# Altium PCB test.PcbDoc (part 1 of 2)
Units mil, origin at the board's own origin, x right, y up, seen from the top; angles counter-clockwise.
Board outline 3937.01 x 2755.91 mil, 2 copper layers (Top Layer, Bottom Layer); 153 components, 162 nets, 624 pads, 157 vias.
Unrouted connection lines stored in the file: 2.
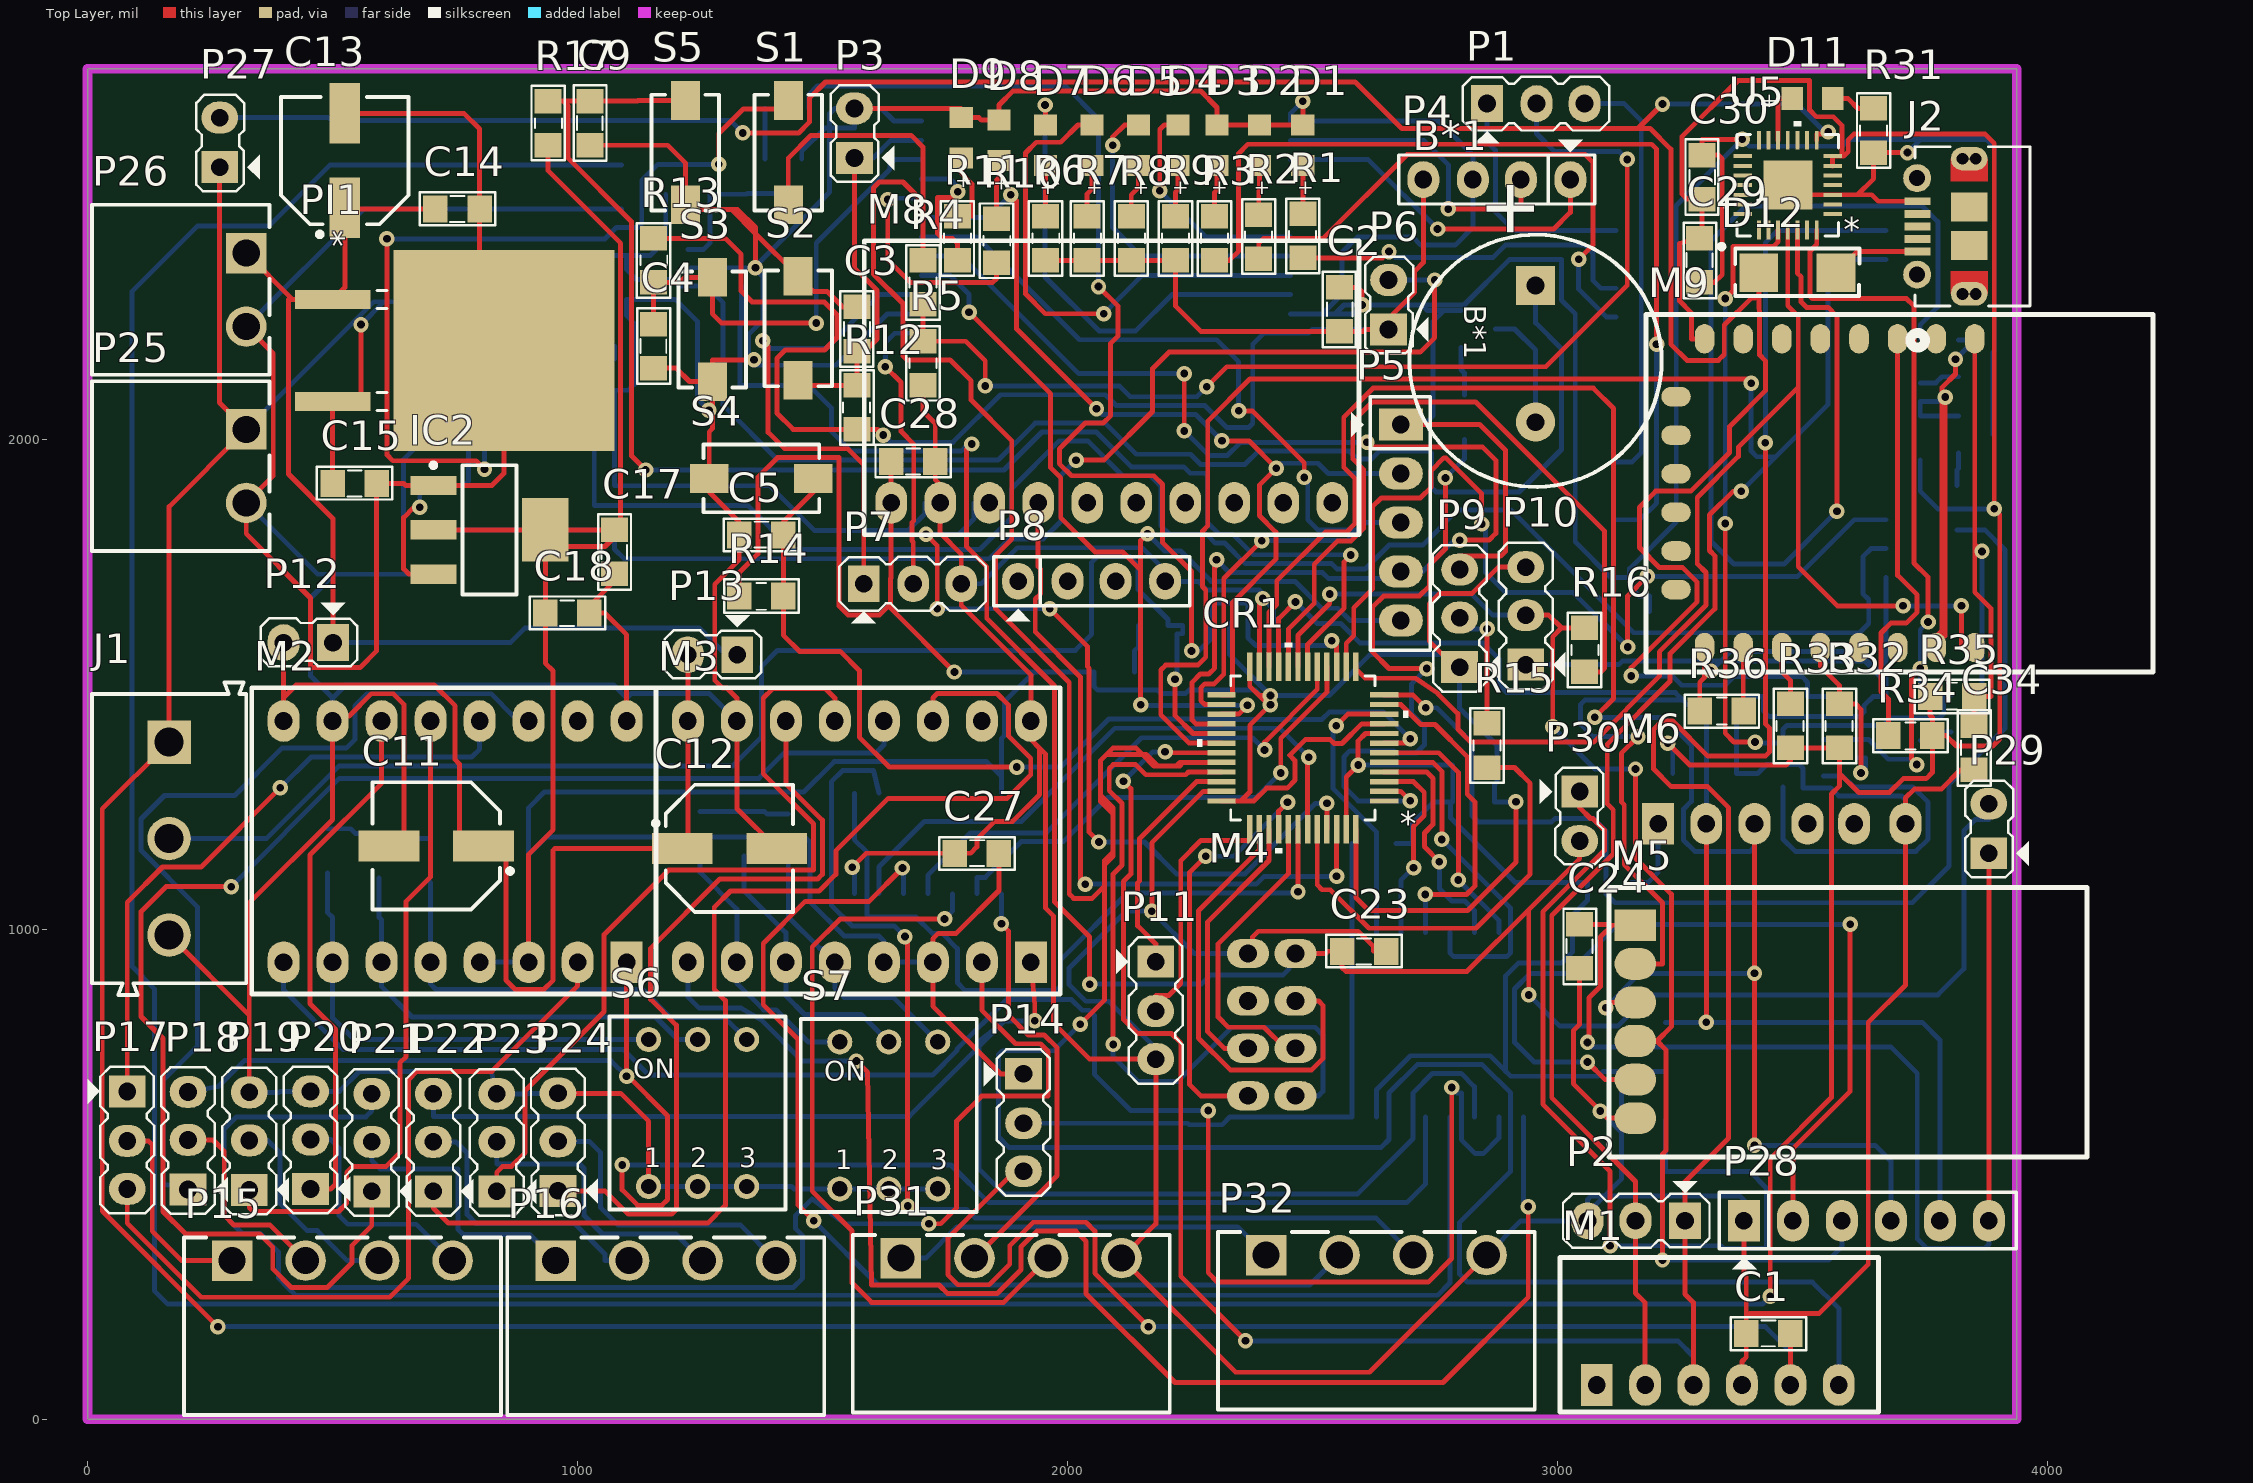
[diagram p0: Top Layer view]
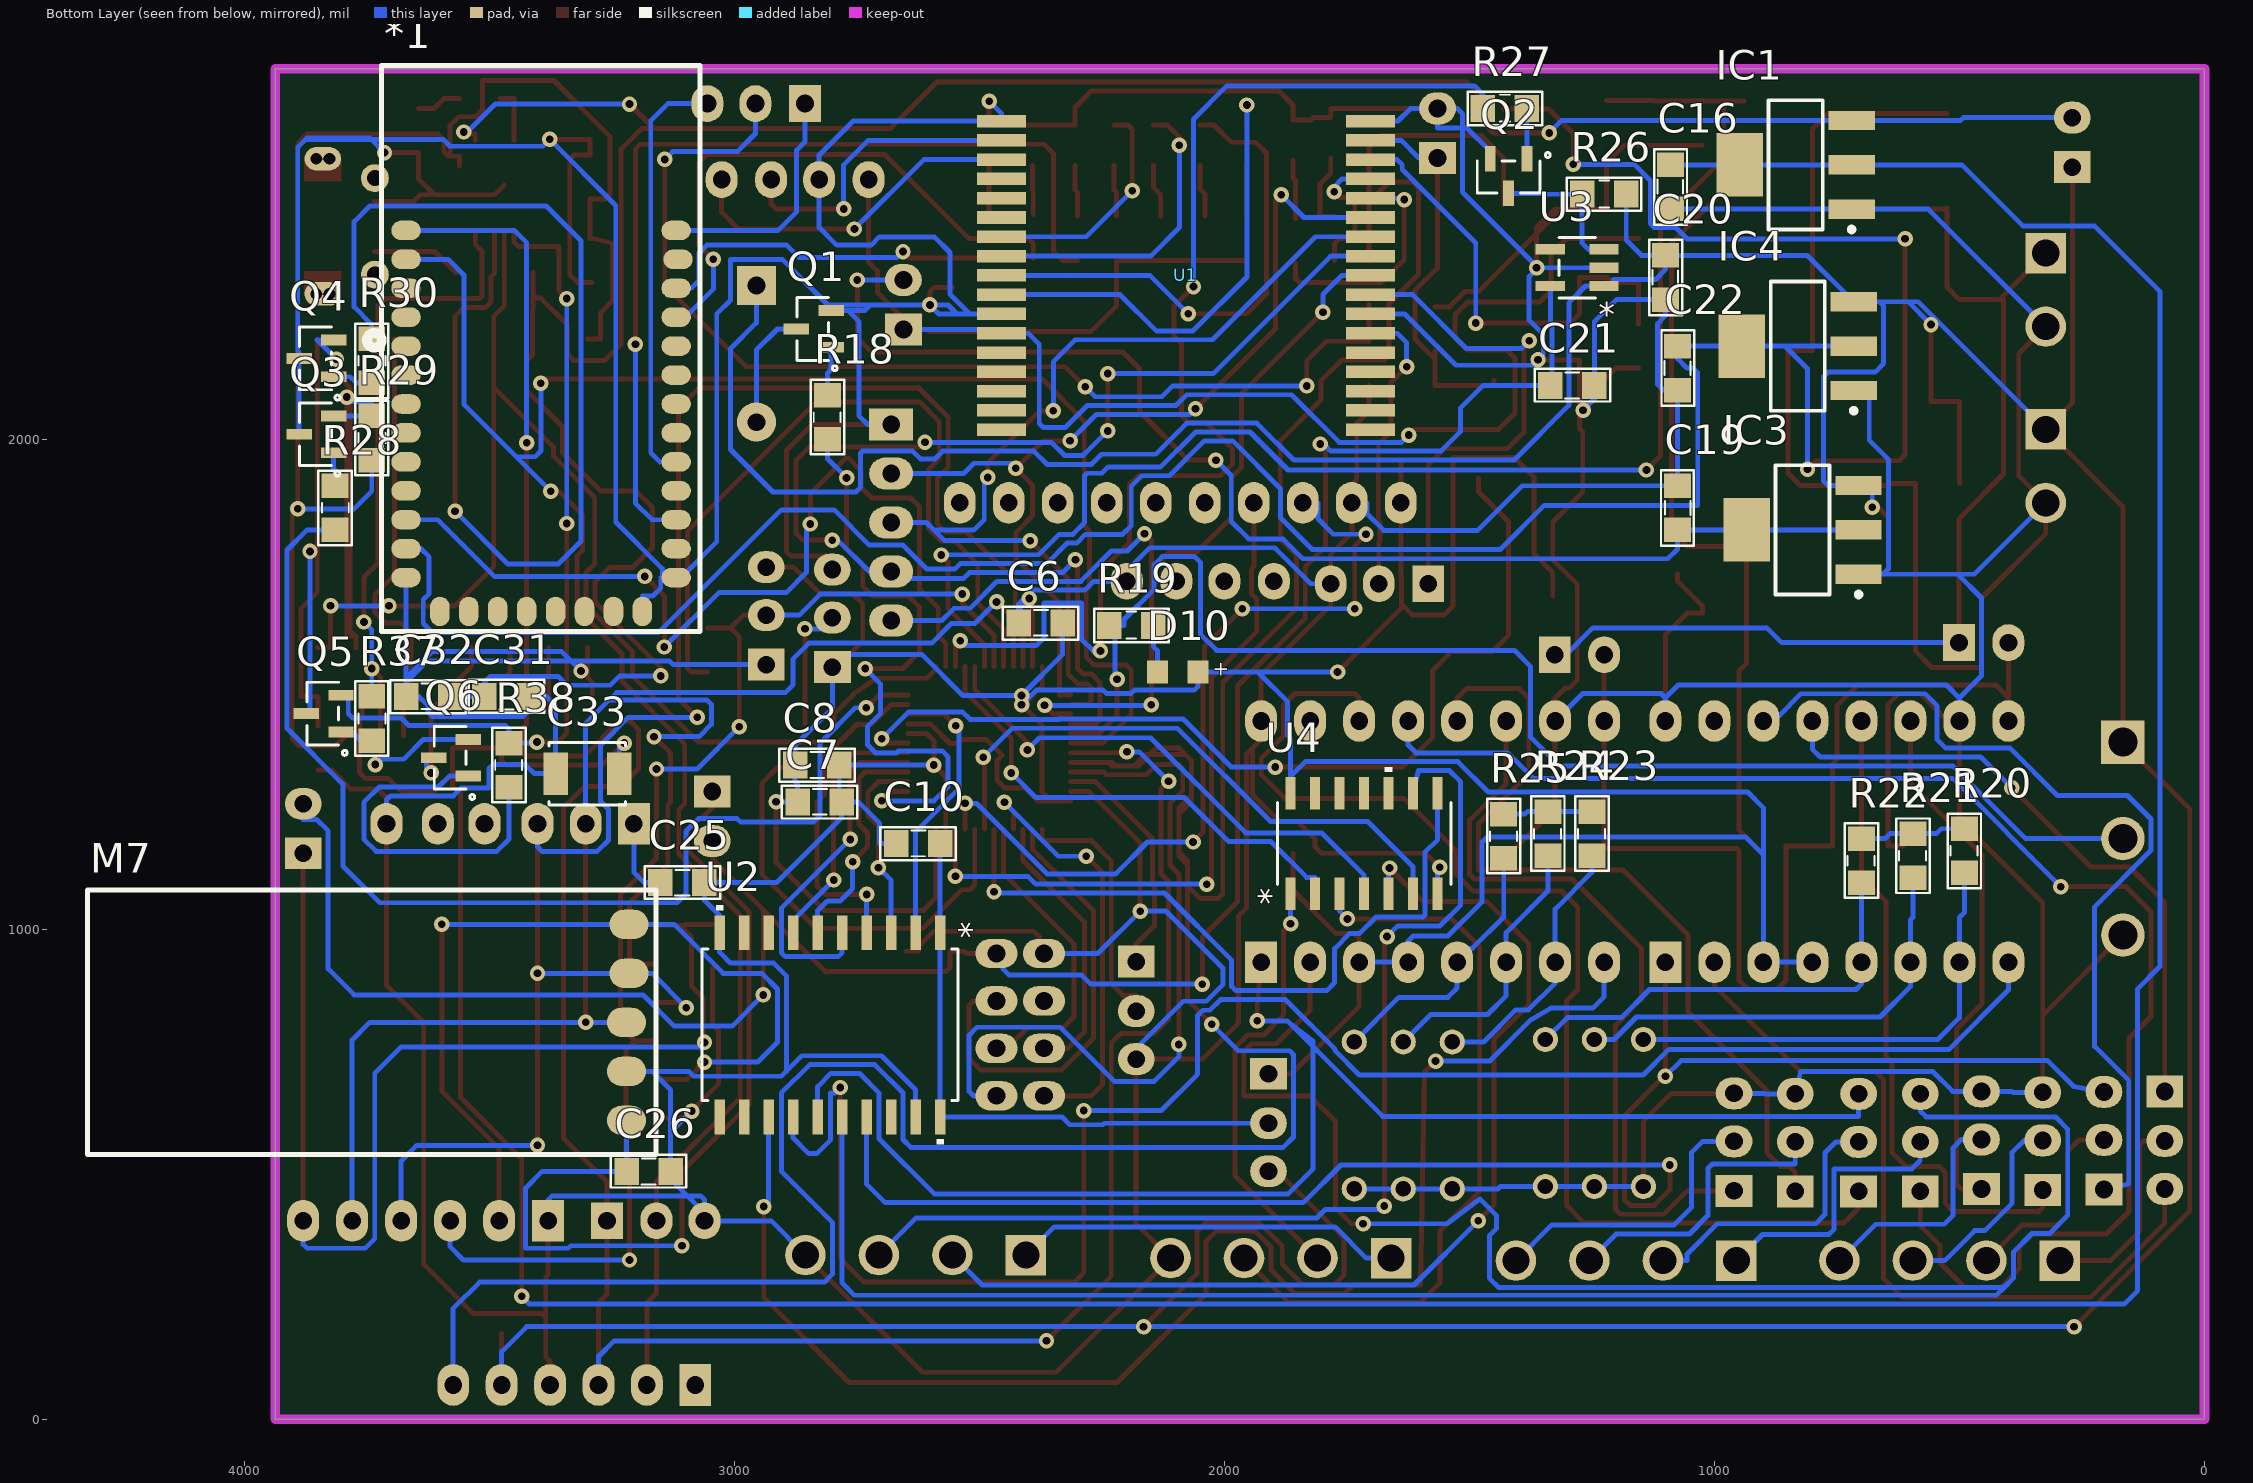
[diagram p1: Bottom Layer view, seen from below]
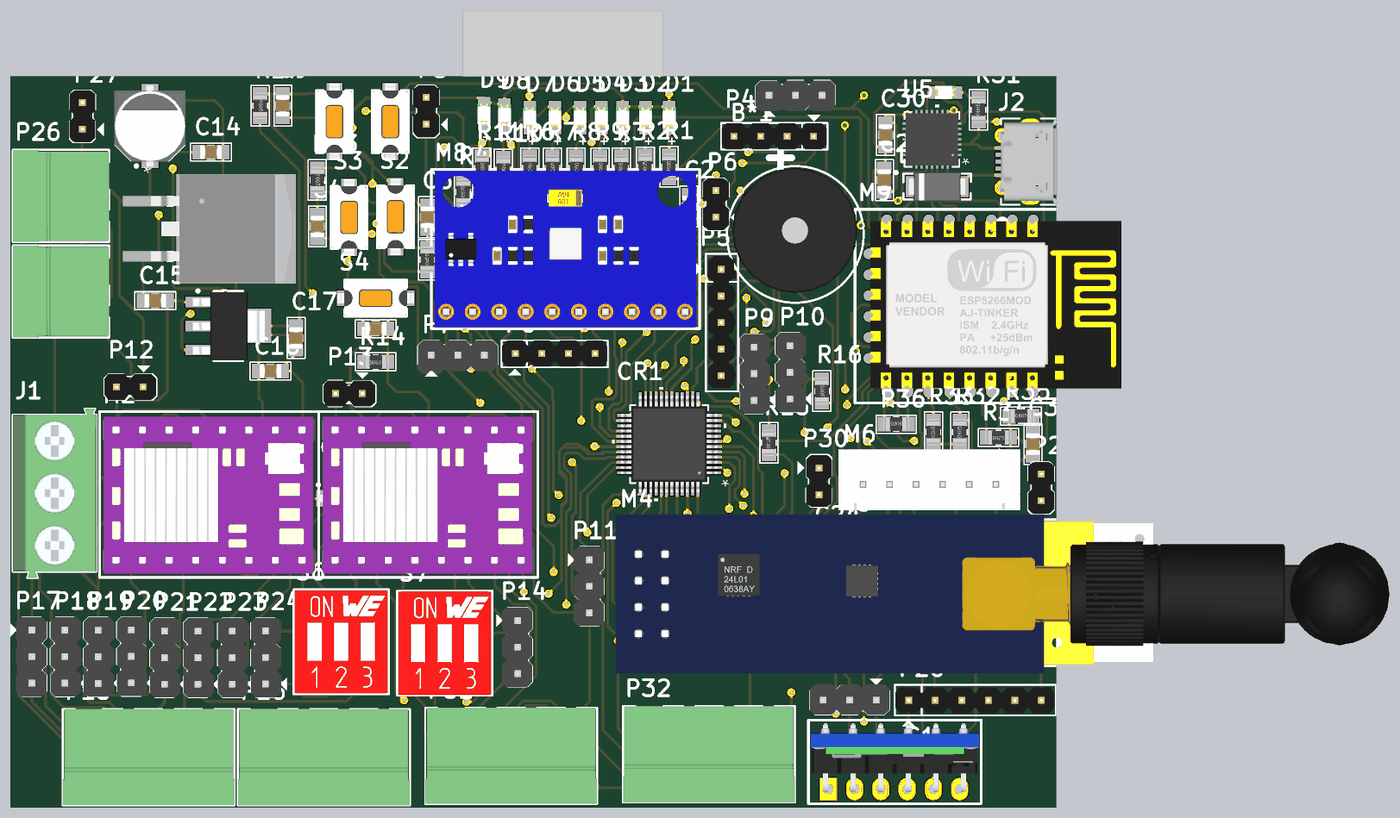
[diagram p3: 3D render of the assembled board from above, using the file's embedded part models]
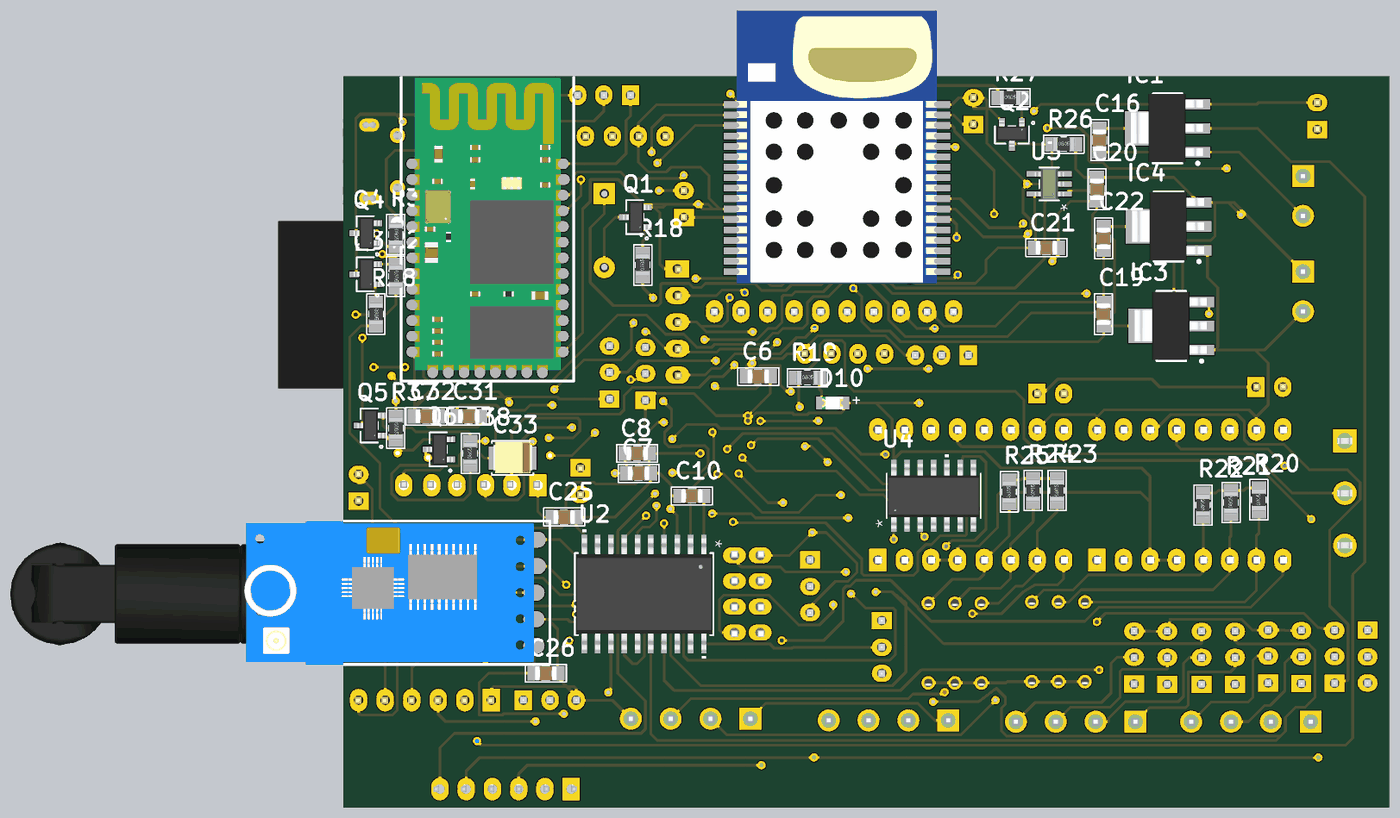
[diagram p4: 3D render of the assembled board from below, using the file's embedded part models]

## Layer stack, top to bottom
Top Solder: solder mask 0.4, Solder Resist, Dk 3.5
Top Layer: signal copper 1.4
Dielectric 1: dielectric 12.6, FR-4, Dk 4.8
Bottom Layer: signal copper 1.4
Bottom Solder: solder mask 0.4, Solder Resist, Dk 3.5

## Board outline
0,0 0,2755.91 3937.01,2755.91 3937.01,0

## Design rules (kind name [scope] priority, off if disabled: settings)
Clearance [All] p1: gap=8 ignorepadtopadclearanceinfootprint=FALSE
DiffPairsRouting [All] p1: maxlimit=10 minlimit=10 mostfreqgap=10 toplayer_minwidth=15 toplayer_maxwidth=15 toplayer_prefwidth=15 bottomlayer_minwidth=15 bottomlayer_maxwidth=15 bottomlayer_prefwidth=15 maxuncoupledlength=500
Height [All] p1: minheight=0 maxheight=5000 prefheight=500
PolygonConnect [All] p1: connectstyle=Relief reliefconductorwidth=10 reliefentries=4 polygonreliefangle="90 Angle" airgapwidth=10
RoutingVias [All] p1: holewidth=15.75 width=31.5 viastyle="Through Hole" minholewidth=15.75 minwidth=31.5 maxholewidth=15.75 maxwidth=31.5
SolderMaskExpansion [All] p1: expansion=4
UnRoutedNet [All] p1: checkbadconnections=TRUE
Width [All] p1: maxlimit=15 minlimit=8 preferedwidth=10
27 further rules are at their usual default settings.

## Classes and differential pairs
component class Wifi: C29 C30 C31 C32 C33 C34 D11 D12 J2 M9 Q3 Q4 Q5 Q6 R28 R29 R30 R31 R32 R33 R34 R35 R36 R37 R38 U5
component class Sensor: C27 C28 M8 P31 P32 U4
component class RF: C23 C24 C25 C26 M4 M5 M6 M7 P28 P29 P30
component class Power_Supply: C13 C14 C15 C16 C17 C18 C19 C20 C21 C22 IC1 IC2 IC3 IC4 P25 P26 P27 PI1 Q2 R26 R27 U3
component class "Motor Control": C10 C11 C12 M2 M3 P12 P13 P14 P15 P16 P17 P18 P19 P20 P21 P22 P23 P24 R20 R21 R22 R23 R24 R25 S6 S7 U2
component class MCU: B*1 C5 C6 C7 C8 C9 CR1 D10 J1 P9 P10 P11 Q1 R14 R15 R16 R17 R18 R19 S4 S5
component class Decawave: C2 C3 C4 D4 D5 D6 D7 D8 D9 P3 P4 P5 P6 P7 P8 R6 R7 R8 R9 R10 R11 R12 R13 S2 S3 U1
component class Blutooth: *1 C1 D1 D2 D3 M1 P1 P2 R1 R2 R3 R4 R5 S1
differential pair USB_D: +USB_D_P -USB_D_N

## Components (designator, comment, footprint, x,y, rotation, side; value= is the part's Value field where it differs from the comment)
*1 "HC05-06 SMD" "HC05-06 SMD" 3670,1717.56 r180 bottom
B*1 "Buzzer" BUZZER 2955,2235 r270 top
C1 "Cap-100nF-50V-0805" CAP-SM-0805 3385,175 r0 top value=100nF/50V
C2 "Cap-100nF-50V-0805" CAP-SM-0805 2555,2310 r270 top value=100nF/50V
C3 "Cap-100nF-50V-0805" CAP-SM-0805 1570,2270 r270 top value=100nF/50V
C4 "Cap-100nF-50V-0805" CAP-SM-0805 1155,2145 r90 top value=100nF/50V
C5 "Cap-100nF-50V-0805" CAP-SM-0805 1330,1805 r0 top value=100nF/50V
C6 "Cap-100nF-50V-0805" CAP-SM-0805 2420,1625 r180 bottom value=100nF/50V
C7 "Cap-100nF-50V-0805" CAP-SM-0805 2871,1260 r180 bottom value=100nF/50V
C8 "Cap-100nF-50V-0805" CAP-SM-0805 2876,1335 r180 bottom value=100nF/50V
C9 "Cap-100nF-50V-0805" CAP-SM-0805 1025,2600 r90 top value=100nF/50V
C10 "Cap-100nF-50V-0805" CAP-SM-0805 2670,1175 r180 bottom value=100nF/50V
C11 "Cap-Al-100uF-16V-D6L5" CAP-SM-AL-SIZE-D-D6L6 711.46,1170 r180 top value=100uF/16V
C12 "Cap-Al-100uF-16V-D6L5" CAP-SM-AL-SIZE-D-D6L6 1310,1165 r0 top value=100uF/16V
C13 "Cap-Al-100uF-16V-D6L5" CAP-SM-AL-SIZE-D-D6L6 525,2568.66 r90 top value=100uF/16V
C14 "Cap-10uF-50V-0805" CAP-SM-0805 800,2470 r180 top value=10uF/50V
C15 "Cap-10uF-50V-0805" CAP-SM-0805 590,1910 r180 top value=10uF/50V
C16 "Cap-10uF-50V-0805" CAP-SM-0805 1090,2470 r90 bottom value=10uF/50V
C17 "Cap-10uF-50V-0805" CAP-SM-0805 1075,1725 r90 top value=10uF/50V
C18 "Cap-10uF-50V-0805" CAP-SM-0805 1024.17,1645 r180 top value=10uF/50V
C19 "Cap-10uF-50V-0805" CAP-SM-0805 1075,1905 r270 bottom value=10uF/50V
C20 "Cap-100nF-50V-0805" CAP-SM-0805 1100,2285 r90 bottom value=100nF/50V
C21 "Cap-10uF-50V-0805" CAP-SM-0805 1245,2110 r0 bottom value=10uF/50V
C22 "Cap-10uF-50V-0805" CAP-SM-0805 1075,2100 r90 bottom value=10uF/50V
C23 "Cap-100nF-50V-0805" CAP-SM-0805 2650,955 r180 top value=100nF/50V
C24 "Cap-100nF-50V-0805" CAP-SM-0805 3045,920 r90 top value=100nF/50V
C25 "Cap-100nF-50V-0805" CAP-SM-0805 3061,1095 r0 bottom value=100nF/50V
C26 "Cap-100nF-50V-0805" CAP-SM-0805 3130,506 r0 bottom value=100nF/50V
C27 "Cap-100nF-50V-0805" CAP-SM-0805 1770,1155 r0 top value=100nF/50V
C28 "Cap-100nF-50V-0805" CAP-SM-0805 1730,1955 r180 top value=100nF/50V
C29 "Cap-10uF-50V-0805" CAP-SM-0805 3290,2320 r90 top value=10uF/50V
C30 "Cap-100nF-50V-0805" CAP-SM-0805 3295,2580 r270 top value=100nF/50V
C31 "Cap-10uF-50V-0805" CAP-SM-0805 3420,1475 r0 bottom value=10uF/50V
C32 "Cap-100nF-50V-0805" CAP-SM-0805 3670,1475 r180 bottom value=100nF/50V
C33 "TAJB107M006RNJ" CAP_SM_TAN 3300,1317.5 r0 bottom value=100uF/16V
C34 "Cap-100nF-50V-0805" CAP-SM-0805 3850,1325 r90 top value=100nF/50V
CR1 "Part Number: STM32F103C8T6" LQFP-48 2480,1370 r180 top value=Value
D1 "Bright Green, 2V" WL-SMCW_0805 2480,2600 r270 top
D2 "Yellow, 2V" WL-SMCW_0805 2391.42,2600 r270 top
D3 "Red, 2V" WL-SMCW_0805 2305,2600 r270 top
D4 "Red, 2V" WL-SMCW_0805 2225,2600 r270 top
D5 "Red, 2V" WL-SMCW_0805 2145,2600 r270 top
D6 "Yellow, 2V" WL-SMCW_0805 2050,2600 r270 top
D7 "Bright Green, 2V" WL-SMCW_0805 1955,2600 r270 top
D8 "Red, 2V" WL-SMCW_0805 1860,2610 r270 top
D9 "Red, 2V" WL-SMCW_0805 1783,2615 r270 top
D10 "Red, 2V" WL-SMCW_0805 2095,1525 r180 bottom
D11 "Red, 2V" WL-SMCW_0805 3520,2695 r180 top
D12 "SS14" SS14 3489.37,2340 r0 top
IC1 "AMS1117" SOT223 834.17,2560 r0 bottom value=LM317
IC2 "AMS1117" SOT223 820,1815 r0 top value=LM317
IC3 "AMS1117" SOT223 820,1815 r0 bottom value=LM317
IC4 "AMS1117" SOT223 830,2190 r0 bottom value=LM317
J1 "691111710003" 691111710003 166.34,1185 r270 top
J2 "105017-0001" CONN_105017-0001 3846.68,2434.37 r90 top
M1 "HC05-06 DIP" "HC05-06 DIP" 3079.72,70 r270 top
M2 "DRV8825" DRV8825 1100,932.87 r90 top
M3 "DRV8825" DRV8825 1925,932.87 r90 top
M4 "NRF24L01" NRF24L01 2368.15,950.55 r180 top
M5 "LC" LC12S 3605,810 r180 top
M6 "HOLYBRO" HOLYBRO 3205,1215 r270 top
M7 "HC12" HC12 3220,610 r180 bottom
M8 "GY9250" GY9250 1640,1870 r270 top
M9 "ESP8266" ESP8266 3300.04,2204.92 r270 top
P1 "Header 3" JP3 2956,2685 r0 top
P2 "Header 3" JP3 3160,405 r180 top
P3 "Header 2" JP2 1565,2574 r90 top
P4 "Header 4" JP4 2926,2530 r180 top
P5 "Header 5" JP5 2680,2030 r270 top
P6 "Header 2" JP2 2655,2224 r90 top
P7 "Header 3" JP3 1684,1705 r0 top
P8 "Header 4" JP4 1999,1710 r0 top
P9 "Header 3" JP3 2800,1635 r90 top
P10 "Header 3" JP3 2935,1640 r90 top
P11 "Header 3" JP3 2180,834 r270 top
P12 "Header 2" JP2 501,1585 r180 top
P13 "Header 2" JP2 1326,1560 r180 top
P14 "Header 3" JP3 1910,605 r270 top
P15 "691322310004" 691322310004 520,190 r0 top
P16 "691322310004" 691322310004 1180,189.96 r0 top
P17 "Header 3" JP3 81,569 r270 top
P18 "Header 3" JP3 205,569 r90 top
P19 "Header 3" JP3 330,568 r90 top
P20 "Header 3" JP3 455,570 r90 top
P21 "Header 3" JP3 580,565 r90 top
P22 "Header 3" JP3 705.83,565 r90 top
P23 "Header 3" JP3 835,565 r90 top
P24 "Header 3" JP3 960,566 r90 top
P25 "691322310002" 691322310002 190,1945 r270 top
P26 "691322310002" 691322310002 190,2305 r270 top
P27 "Header 2" JP2 270,2555.34 r90 top
P28 "Header 6" JP6 3380,405 r0 top
P29 "Header 2" JP2 3880,1155 r90 top
P30 "Header 2" JP2 3045,1281 r270 top
P31 "691322310004" 691322310004 1885,195 r0 top
P32 "691322310004" 691322310004 2630,201.14 r0 top
PI1 "L7805" L7805_SMD 849.5,2181.06 r270 top
Q1 "MMBT3904-1AM" SOT23_NEX 2840,2225 r90 bottom
Q2 "MMBT3904-1AM" SOT23_NEX 1420,2535 r0 bottom
Q3 "IRLML6402TRPBF" SOT23_NEX 3855,2010 r90 bottom
Q4 "IRLML6402TRPBF" SOT23_NEX 3855,2165 r90 bottom
Q5 "S8050" SOT23_NEX 3840,1440 r90 bottom
Q6 "S8050" SOT23_NEX 3580,1350 r90 bottom
R1 "Res-470-0805" RES-SM-0805 2480,2370 r90 top value=470
R2 "Res-470-0805" RES-SM-0805 2390,2368.54 r90 top value=470
R3 "Res-470-0805" RES-SM-0805 2300,2365 r90 top value=470
R4 "Res-2.2K-0805" RES-SM-0805 1705,2275 r90 top value=2.2K
R5 "Res-10k-0805" RES-SM-0805 1705,2110 r90 top value=10K
R6 "Res-1.2K-0805" RES-SM-0805 1955,2455 r270 top value=1.2K
R7 "Res-1.2K-0805" RES-SM-0805 2040,2455 r270 top value=1.2K
R8 "Res-1.2K-0805" RES-SM-0805 2130,2455 r270 top value=1.2K
R9 "Res-1.2K-0805" RES-SM-0805 2220,2455 r270 top value=1.2K
R10 "Res-1K-0805" RES-SM-0805 1855,2450 r270 top value=1K
R11 "Res-1K-0805" RES-SM-0805 1775,2455 r270 top value=1K
R12 "Res-10k-0805" RES-SM-0805 1570,2020 r90 top value=10K
R13 "Res-10k-0805" RES-SM-0805 1155,2410 r270 top value=10K
R14 "Res-10k-0805" RES-SM-0805 1420,1680 r180 top value=10K
R15 "Res-100K-0805" RES-SM-0805 2856,1330 r90 top value=100K
R16 "Res-100K-0805" RES-SM-0805 3055,1615 r270 top value=100K
R17 "Res-10k-0805" RES-SM-0805 940,2690 r270 top value=10K
R18 "Res-15K-0805" RES-SM-0805 2810,2000 r90 bottom value=15K
R19 "Res-1K-0805" RES-SM-0805 2235,1620 r180 bottom value=1K
R20 "Res-1K-0805" RES-SM-0805 490,1115 r90 bottom value=1K
R21 "Res-1K-0805" RES-SM-0805 595,1105 r90 bottom value=1K
R22 "Res-1K-0805" RES-SM-0805 700,1095 r90 bottom value=1K
R23 "Res-1K-0805" RES-SM-0805 1250,1150 r90 bottom value=1K
R24 "Res-1K-0805" RES-SM-0805 1340,1150 r90 bottom value=1K
R25 "Res-1K-0805" RES-SM-0805 1430,1145 r90 bottom value=1K
R26 "Res-4.7K-0805" RES-SM-0805 1270,2500 r180 bottom value=4.7K
R27 "Res-100K-0805" RES-SM-0805 1472.5,2675 r180 bottom value=100K
R28 "Res-1K-0805" RES-SM-0805 3815,1905 r270 bottom value=1K
R29 "Res-1K-0805" RES-SM-0805 3740,2047.5 r270 bottom value=1K
R30 "Res-1K-0805" RES-SM-0805 3740,2205 r270 bottom value=1K
R31 "Res-1K-0805" RES-SM-0805 3645,2585 r90 top value=1K
R32 "Res-12K-0805" RES-SM-0805 3575,1370 r90 top value=12K
R33 "Res-12K-0805" RES-SM-0805 3475,1370 r90 top value=12K
R34 "Res-12K-0805" RES-SM-0805 3765,1395 r180 top value=12K
R35 "Res-12K-0805" RES-SM-0805 3760,1475 r0 top value=12K
R36 "Res-12K-0805" RES-SM-0805 3290,1445 r0 top value=12K
R37 "Res-12K-0805" RES-SM-0805 3740,1475 r270 bottom value=12K
R38 "Res-12K-0805" RES-SM-0805 3460,1290 r90 bottom value=12K
S1 "434113043826" 434113043826 1430,2585 r270 top
S2 "434113043826" 434113043826 1450,2226.3 r90 top
S3 "434113043826" 434113043826 1275,2224 r270 top
S4 "434113043826" 434113043826 1375,1920 r180 top
S5 "434113043826" 434113043826 1220,2585 r270 top